# KiCad board thunderbolt-adapter.kicad_pcb (continued)
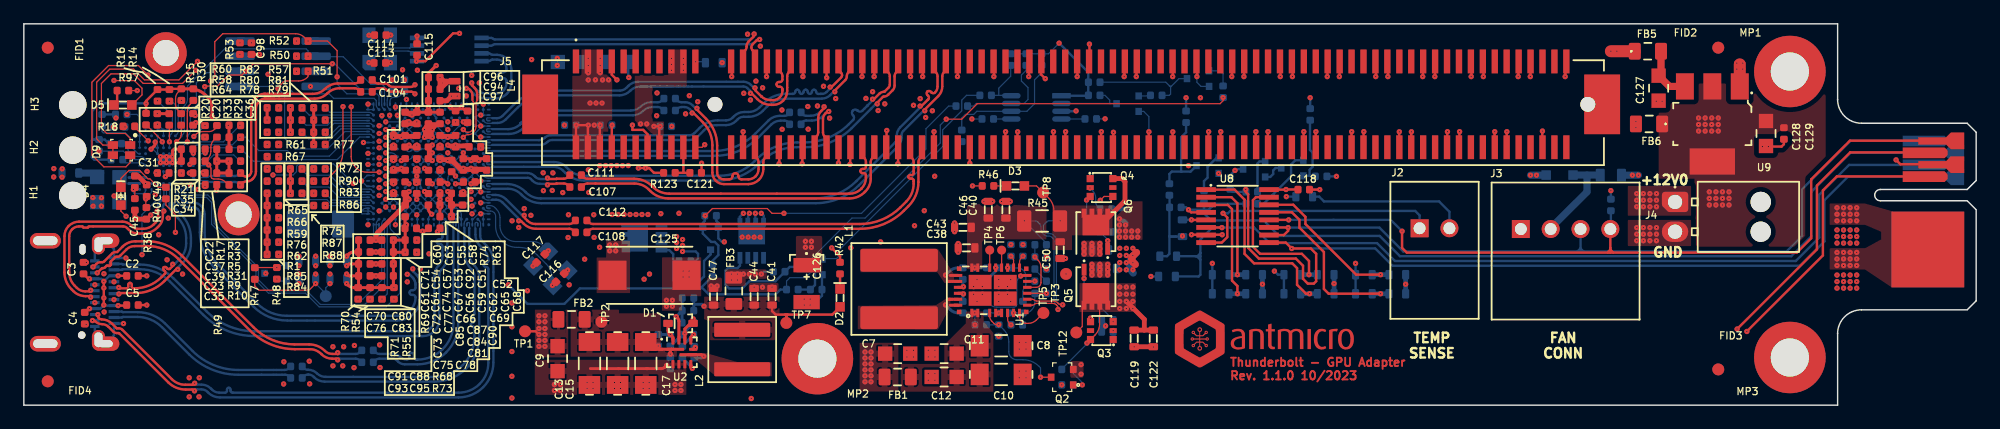
[diagram p0: board, top side]
## Routing (per net, layer and track width the routed paths; a pad name or vN(x,y) marks a point on that pad's centre or on a via; arc(x,y) is an arc through that point) (continued)
I2C1_IRQ: length 20.7
  In2.Cu w0.1: 20.89,19.32 19.87,19.32 arc(19.73,19.35) 19.61,19.43 19.47,19.57 arc(19.13,20.08) 19.01,20.68 19.02,20.68 19.02,22.83 18.36,23.48 v1(18.1,23.48) ; v1(27.6,18.6) 27.9,18.3 28.7,18.3 29.3,18.9 v1(29.78,18.9)
  Bottom w0.1: U3.C1 16.72,22.1 v1(18.1,23.48) ; v1(20.87,19.32) 22.57,19.32 22.85,19.6 22.85,20.05 23.05,20.25 25.95,20.25 v1(27.6,18.6)
I2C1_SCL: length 16.9
  Bottom w0.1: 18.12,22.5 18.55,22.5 19.69,21.36 22.09,21.36 22.55,20.9 25.6,20.9 27.43,22.73 ; 27.43,22.73 28.95,22.73 ; U3.D2 14.32,21.72 arc(14.46,21.82) 14.63,21.85 17.47,21.85 v1(18.1,22.48) ; 29.3,22.5 29.14,22.66 arc(29.06,22.71) 28.97,22.73
I2C1_SDA: length 15.4
  Bottom w0.1: U3.D1 17.9,21.6 arc(17.98,21.58) 18.04,21.54 v1(18.11,21.48) 18.23,21.48 19.24,20.47 22.82,20.47 22.95,20.6 26.25,20.6 28.15,22.5 U4.U1
LSX_P2R: length 29
  Bottom w0.1: U3.K4 13.32,18.47 13.36,18.43 13.42,18.34 13.45,18.23 13.45,17.75 13.57,17.63 15.42,17.63 15.95,17.1 15.95,15.25 19.65,11.55 19.65,10.53 20.58,9.6 23.7,9.6 24.85,8.45 28.57,8.45 v1(29.01,8.9) 30.22,10.11 U4.A4
LSX_R2P: length 30.8
  Bottom w0.1: U4.A5 30.68,14.98 arc(30.71,14.82) 30.8,14.69 31.5,13.99 31.5,9.38 v1(31.01,8.9) 30.37,8.25 24.75,8.25 23.6,9.4 20.5,9.4 19.45,10.45 19.45,11.47 15.73,15.18 15.73,17.02 15.32,17.43 13.48,17.43 13.2,17.72 U3.L4
PCIE_CLK_CON_N: length 25.8
  Top w0.2: 61.27,28.84 61.27,29.37 arc(61.23,29.56) 61.12,29.73 61.08,29.77 arc(61,29.89) 60.97,30.03 arc(61,30.17) 61.08,30.28 61.42,30.63 arc(61.49,30.67) 61.57,30.69 v1(61.66,30.69)
  Bottom w0.2: U6.6 39.16,30.17 arc(39.24,30.18) 39.31,30.23 arc(39.38,30.28) 39.46,30.29 60.8,30.29 arc(61.06,30.34) 61.28,30.49 61.42,30.63 arc(61.49,30.67) 61.57,30.69 v1(61.66,30.69)
PCIE_CLK_CON_P: length 25.8
  Top w0.2: 60.27,28.84 60.27,29.37 arc(60.31,29.56) 60.42,29.73 arc(60.53,29.89) 60.57,30.09 60.57,30.11 arc(60.61,30.33) 60.73,30.51 61.14,30.91 arc(61.18,30.98) 61.2,31.06 v1(61.2,31.15)
  Bottom w0.2: U6.5 39.16,30.82 arc(39.24,30.8) 39.31,30.76 arc(39.38,30.71) 39.46,30.69 60.72,30.69 arc(60.91,30.73) 61.06,30.83 61.14,30.91 arc(61.18,30.98) 61.2,31.06 v1(61.2,31.15)
PCIE_PWRGD: length 54.3
  Top w0.1: v1(27.43,25.04) 27.43,20.87 arc(27.53,20.36) 27.82,19.94 arc(28.24,19.65) 28.75,19.55 v1(29.78,19.55)
  In2.Cu w0.1: v1(27.43,25.04) 27.43,28.33 28.83,29.72 57.53,29.72 v1(58.52,28.74) ; v1(21.36,14.7) 25.1,14.7 27.1,16.7 27.1,18.8 27.85,19.55 v1(29.78,19.55)
PCIE_RX0_N: length 30.4
  Top w0.2: 64.27,28.84 64.27,28.22 arc(64.25,28.12) 64.19,28.03 64.12,27.95 arc(64.01,27.79) 63.97,27.6 63.97,26.37 arc(63.88,25.92) 63.63,25.54 arc(63.25,25.29) 62.8,25.2 62.63,25.2 arc(62,25.32) 61.47,25.68 61.01,26.14 arc(60.98,26.16) 60.94,26.17 v1(60.89,26.17)
  Bottom w0.1: U4.Y22 38.62,23.77 arc(38.74,23.68) 38.89,23.65 39.21,23.65 arc(39.23,23.65) 39.25,23.67 arc(39.26,23.68) 39.28,23.68
  Bottom w0.2: v1(60.89,26.17) 60.89,26.26 arc(60.88,26.34) 60.83,26.41 60.63,26.61 arc(60.49,26.7) 60.32,26.74 51.65,26.74 arc(51.21,26.65) 50.83,26.4 50.8,26.37 arc(50.39,26.1) 49.91,26 43.85,26 arc(42.52,25.74) 41.39,24.98 40.37,23.97 arc(40.06,23.75) 39.69,23.68 39.28,23.68
PCIE_RX0_P: length 30.4
  Top w0.2: 61.26,26.63 61.26,26.54 arc(61.28,26.46) 61.33,26.39 61.81,25.91 arc(62.15,25.68) 62.56,25.6 62.8,25.6 arc(63.09,25.66) 63.34,25.83 arc(63.51,26.08) 63.57,26.37 63.57,26.52 arc(63.51,26.66) 63.37,26.72 63.27,26.72 arc(63.13,26.78) 63.07,26.92 arc(63.13,27.06) 63.27,27.12 63.37,27.12 arc(63.51,27.18) 63.57,27.32 63.57,27.6 arc(63.53,27.79) 63.42,27.95 63.35,28.03 arc(63.29,28.12) 63.27,28.22 63.27,28.84
  Bottom w0.1: U4.Y23 38.88,23.88 arc(38.84,23.89) 38.81,23.91 arc(38.78,23.94) 38.78,23.98 38.78,24.01 arc(38.78,24.05) 38.81,24.08 arc(38.84,24.1) 38.88,24.11 39.21,24.11 arc(39.23,24.11) 39.25,24.1 arc(39.26,24.08) 39.28,24.08
  Bottom w0.2: 61.26,26.63 61.22,26.63 arc(61.18,26.64) 61.14,26.66 60.92,26.89 arc(60.64,27.07) 60.31,27.14 51.49,27.14 arc(51.04,27.05) 50.66,26.8 50.49,26.63 arc(50.24,26.46) 49.95,26.4 43.89,26.4 arc(42.37,26.1) 41.08,25.23 40.12,24.28 arc(39.9,24.13) 39.64,24.08 39.28,24.08
  vias: v1(61.27,26.63)
PCIE_RX1_N: length 34.5
  Top w0.2: 67.96,26.3 67.96,26.35 arc(67.96,26.4) 67.99,26.44 68.83,27.28 arc(68.93,27.43) 68.97,27.61 arc(69.01,27.79) 69.11,27.95 69.12,27.96 arc(69.23,28.12) 69.27,28.32 69.27,28.84 ; 69.2,28.3 69.2,28.88
  Bottom w0.1: U4.T22 38.62,21.93 arc(38.74,21.84) 38.89,21.81 39.19,21.81 arc(39.21,21.81) 39.23,21.83 arc(39.24,21.84) 39.26,21.84
  Bottom w0.2: 67.96,26.3 67.91,26.3 arc(67.86,26.29) 67.82,26.27 67.57,26.01 arc(67.24,25.8) 66.87,25.72 63.91,25.72 arc(63.03,25.55) 62.28,25.04 61.93,24.69 arc(61.38,24.33) 60.73,24.2 60.32,24.2 arc(60.05,24.15) 59.83,24 59.68,23.85 arc(59.3,23.59) 58.84,23.5 58.06,23.5 arc(57.48,23.39) 56.99,23.06 56.49,22.55 arc(56.15,22.33) 55.75,22.25 44.27,22.25 arc(44.05,22.21) 43.87,22.08 arc(43.6,21.9) 43.28,21.84 39.26,21.84
  vias: v1(67.96,26.3)
PCIE_RX1_P: length 34.5
  Top w0.2: 68.27,28.84 68.27,28.32 arc(68.31,28.12) 68.42,27.96 68.49,27.89 arc(68.55,27.8) 68.57,27.69 arc(68.55,27.59) 68.49,27.5 67.71,26.72 arc(67.67,26.69) 67.62,26.68 67.57,26.68
  Bottom w0.1: U4.T23 38.88,22.04 arc(38.84,22.05) 38.81,22.07 arc(38.78,22.1) 38.78,22.14 38.78,22.17 arc(38.78,22.21) 38.81,22.24 arc(38.84,22.26) 38.88,22.27 39.19,22.27 arc(39.21,22.27) 39.23,22.26 arc(39.24,22.24) 39.26,22.24
  Bottom w0.2: 67.57,26.68 67.57,26.63 arc(67.56,26.59) 67.54,26.55 67.26,26.27 arc(67.09,26.16) 66.9,26.12 66.78,26.12 66.78,26.12 arc(66.78,26.12) 66.78,26.12 66.57,26.12 arc(66.45,26.17) 66.4,26.3 66.4,26.3 arc(66.34,26.43) 66.22,26.48 arc(66.1,26.43) 66.04,26.3 66.04,26.3 arc(65.99,26.17) 65.87,26.12 arc(65.75,26.17) 65.69,26.3 65.69,26.3 arc(65.64,26.43) 65.52,26.48 arc(65.4,26.43) 65.34,26.3 65.34,26.3 arc(65.29,26.17) 65.17,26.12 arc(65.05,26.17) 65,26.3 65,26.3 arc(64.94,26.43) 64.82,26.48 arc(64.7,26.43) 64.65,26.3 64.65,26.3 arc(64.59,26.17) 64.47,26.12 63.87,26.12 arc(63.87,26.12) 63.87,26.12 63.87,26.12 arc(62.87,25.92) 62.03,25.36 61.66,24.99 arc(61.22,24.7) 60.71,24.6 60.36,24.6 arc(59.9,24.51) 59.52,24.25 59.4,24.13 arc(59.14,23.96) 58.84,23.9 58.15,23.9 arc(57.33,23.74) 56.64,23.28 56.19,22.82 arc(56,22.69) 55.78,22.65 44.16,22.65 arc(43.89,22.6) 43.66,22.45 arc(43.44,22.29) 43.17,22.24 39.26,22.24
  vias: v1(67.57,26.69)
PCIE_RX2_N: length 39.8
  Top w0.2: 73.27,28.84 73.27,28.32 arc(73.23,28.12) 73.12,27.96 arc(73.01,27.79) 72.97,27.6 72.97,26.81 arc(72.93,26.6) 72.81,26.42 72.43,26.05 arc(72.27,25.94) 72.07,25.9 arc(72.03,25.89) 71.99,25.87 71.55,25.42 arc(71.52,25.38) 71.51,25.34 71.51,25.29
  Bottom w0.1: U4.M22 38.62,20.09 arc(38.74,20) 38.89,19.97 39.19,19.97 arc(39.21,19.97) 39.23,19.99 arc(39.24,20) 39.26,20
  Bottom w0.2: 71.51,25.29 71.46,25.29 arc(71.42,25.28) 71.38,25.25 70.99,24.86 69.37,23.24 arc(67.6,22.06) 65.52,21.65 64.76,21.65 arc(63.12,21.32) 61.72,20.39 61.58,20.25 arc(60.03,19.21) 58.2,18.85 46.94,18.85 arc(46.09,19.02) 45.37,19.5 45.19,19.68 arc(44.83,19.92) 44.41,20 39.26,20
  vias: v1(71.51,25.28)
PCIE_RX2_P: length 39.8
  Top w0.2: 71.13,25.67 71.18,25.67 arc(71.22,25.68) 71.26,25.7 71.7,26.14 arc(71.88,26.26) 72.09,26.3 72.12,26.3 72.47,26.65 arc(72.54,26.76) 72.57,26.9 72.57,27.6 arc(72.53,27.79) 72.42,27.96 arc(72.31,28.12) 72.27,28.32 72.27,28.84
  Bottom w0.1: U4.M23 38.88,20.2 arc(38.84,20.21) 38.81,20.23 arc(38.78,20.26) 38.78,20.3 38.78,20.33 arc(38.78,20.37) 38.81,20.4 arc(38.84,20.42) 38.88,20.43 39.19,20.43 arc(39.21,20.43) 39.23,20.42 arc(39.24,20.4) 39.26,20.4
  Bottom w0.2: 39.26,20.4 44.43,20.4 arc(44.99,20.29) 45.46,19.98 45.61,19.83 arc(46.24,19.4) 47,19.25 58.3,19.25 arc(59.89,19.57) 61.23,20.47 61.42,20.65 arc(62.97,21.69) 64.8,22.05 65.44,22.05 arc(67.44,22.45) 69.15,23.59 69.49,23.93 arc(69.57,24.13) 69.49,24.32 69.48,24.34 arc(69.4,24.53) 69.48,24.73 arc(69.67,24.81) 69.87,24.73 69.88,24.71 arc(70.08,24.63) 70.27,24.71 71.1,25.54 arc(71.12,25.57) 71.13,25.62 71.13,25.67
  vias: v1(71.12,25.67)
PCIE_RX3_N: length 45.6
  Top w0.2: 75.5,24.71 75.5,24.76 arc(75.51,24.8) 75.53,24.84 76.63,25.94 arc(76.88,26.31) 76.97,26.75 76.97,27.6 arc(77.01,27.79) 77.12,27.96 arc(77.23,28.12) 77.27,28.32 77.27,28.84
  Bottom w0.1: U4.H22 38.62,18.25 arc(38.74,18.16) 38.89,18.13 39.19,18.13 arc(39.21,18.13) 39.23,18.15 arc(39.24,18.16) 39.26,18.16
  Bottom w0.2: 75.5,24.71 75.45,24.71 arc(75.4,24.7) 75.36,24.67 73.71,23.02 arc(73.59,22.84) 73.55,22.63 73.55,22.44 arc(73.47,22.05) 73.25,21.71 69.98,18.44 arc(68.32,17.34) 66.37,16.95 43.36,16.95 arc(42.49,17.12) 41.75,17.62 41.66,17.71 arc(41.16,18.04) 40.56,18.16 39.26,18.16
  vias: v1(75.5,24.7)
PCIE_RX3_P: length 45.6
  Top w0.2: 76.27,28.84 76.27,28.32 arc(76.31,28.12) 76.42,27.96 arc(76.53,27.79) 76.57,27.6 76.57,26.74 arc(76.51,26.47) 76.36,26.23 arc(76.22,26.17) 76.07,26.23 76,26.31 arc(75.85,26.37) 75.71,26.31 arc(75.65,26.17) 75.71,26.03 75.79,25.95 arc(75.85,25.81) 75.79,25.67 75.25,25.12 arc(75.21,25.1) 75.16,25.09 75.12,25.09
  Bottom w0.1: U4.H23 38.88,18.36 arc(38.84,18.37) 38.81,18.39 arc(38.78,18.42) 38.78,18.46 38.78,18.49 arc(38.78,18.53) 38.81,18.56 arc(38.84,18.58) 38.88,18.59 39.19,18.59 arc(39.21,18.59) 39.23,18.58 arc(39.24,18.56) 39.26,18.56
  Bottom w0.2: 75.12,25.09 75.12,25.04 arc(75.11,24.99) 75.08,24.96 73.45,23.32 arc(73.23,22.99) 73.15,22.6 73.15,22.41 arc(73.11,22.2) 72.99,22.02 69.77,18.81 arc(68.16,17.73) 66.26,17.35 43.31,17.35 arc(42.64,17.48) 42.07,17.86 42.03,17.91 arc(41.3,18.39) 40.45,18.56 39.26,18.56
  vias: v1(75.11,25.09)
PCIE_TX0_N: length 14.8
  Top w0.2: 56.02,24.53 56.07,24.53 arc(56.11,24.52) 56.15,24.49 56.91,23.73 arc(57.49,22.85) 57.7,21.82 57.7,19.52 arc(57.77,19.15) 57.98,18.83 arc(58.3,18.62) 58.67,18.55 60.71,18.55 arc(61.19,18.65) 61.6,18.92 arc(61.87,19.33) 61.97,19.81 61.97,20.4 arc(62.01,20.59) 62.12,20.76 arc(62.23,20.92) 62.27,21.12 J5.B15
  Bottom w0.2: 54.6,24.71 54.76,24.86 arc(54.93,24.98) 55.13,25.02 55.34,25.02 arc(55.6,24.97) 55.82,24.82 55.98,24.66 arc(56.01,24.62) 56.02,24.57 56.02,24.53
  vias: v1(56.01,24.52)
PCIE_TX0_P: length 14.8
  Top w0.2: 56.4,24.91 56.4,24.86 arc(56.41,24.81) 56.43,24.77 57.17,24.03 arc(57.86,23.01) 58.1,21.8 58.1,19.52 arc(58.14,19.3) 58.27,19.12 arc(58.45,18.99) 58.67,18.95 59.13,18.95 arc(59.31,19.02) 59.38,19.2 59.38,19.22 arc(59.45,19.4) 59.63,19.47 arc(59.81,19.4) 59.88,19.22 59.88,19.2 arc(59.95,19.02) 60.13,18.95 60.71,18.95 arc(61.04,19.02) 61.32,19.2 arc(61.5,19.48) 61.57,19.81 61.57,20.4 arc(61.53,20.59) 61.42,20.76 arc(61.31,20.92) 61.27,21.12 J5.B14
  Bottom w0.2: C109.2 54.76,25.57 arc(54.93,25.46) 55.13,25.42 55.42,25.42 arc(55.76,25.35) 56.04,25.16 56.27,24.94 arc(56.3,24.92) 56.35,24.91 56.4,24.91
  vias: v1(56.41,24.92)
PCIE_TX1_N: length 6
  Top w0.2: J5.B20 67.27,22.17 arc(67.23,22.36) 67.12,22.53 arc(67.01,22.69) 66.97,22.89 66.97,24.01 arc(67.02,24.25) 67.16,24.46 67.31,24.62 arc(67.35,24.64) 67.4,24.65 67.45,24.65
  Bottom w0.2: 67.45,24.65 67.4,24.65 arc(67.35,24.64) 67.31,24.62 66.96,24.27 arc(66.54,23.98) 66.04,23.88 65.55,23.88 arc(65.39,23.85) 65.25,23.76 65.13,23.64
  vias: v1(67.45,24.64)
PCIE_TX1_P: length 6
  Top w0.2: 67.07,25.03 67.07,24.98 arc(67.06,24.94) 67.03,24.9 66.82,24.69 arc(66.63,24.41) 66.57,24.09 66.57,22.89 arc(66.53,22.69) 66.42,22.53 arc(66.31,22.36) 66.27,22.17 J5.B19
  Bottom w0.2: 65.14,24.53 65.26,24.4 arc(65.39,24.32) 65.55,24.28 65.95,24.28 arc(66.38,24.37) 66.74,24.61 67.03,24.9 arc(67.06,24.94) 67.07,24.98 67.07,25.03
  vias: v1(67.06,25.04)
PCIE_TX2_N: length 28.3
  Top w0.2: J5.B24 71.27,21.02 arc(71.25,20.92) 71.19,20.83 71.12,20.75 arc(71.01,20.59) 70.97,20.4 70.97,19.01 arc(70.86,18.43) 70.53,17.95 70.45,17.87 arc(69.88,17.48) 69.2,17.35 54,17.35 arc(53.18,17.51) 52.49,17.97 52.37,18.1 arc(51.81,18.47) 51.16,18.6 47.9,18.6 arc(47.9,18.6) 47.9,18.6 arc(47.9,18.6) 47.9,18.6 47.23,18.6 arc(47.04,18.56) 46.87,18.45 C107.2
PCIE_TX2_P: length 28.3
  Top w0.2: C111.2 46.87,19.15 arc(47.04,19.04) 47.23,19 47.9,19 arc(47.9,19) 47.9,19 arc(47.9,19) 47.9,19 51.15,19 arc(51.97,18.84) 52.66,18.38 52.72,18.32 arc(53.34,17.9) 54.08,17.75 69.2,17.75 arc(69.72,17.85) 70.17,18.15 70.19,18.17 arc(70.47,18.59) 70.57,19.09 70.57,19.3 arc(70.52,19.42) 70.4,19.47 70.28,19.47 arc(70.15,19.53) 70.1,19.65 arc(70.15,19.77) 70.28,19.83 70.4,19.83 arc(70.52,19.88) 70.57,20 70.57,20.4 arc(70.53,20.59) 70.42,20.75 70.35,20.83 arc(70.29,20.92) 70.27,21.02 J5.B23
PCIE_TX3_N: length 32.9
  Top w0.2: J5.B28 75.27,21.12 arc(75.23,20.92) 75.12,20.76 arc(75.01,20.59) 74.97,20.4 74.97,18.72 arc(74.75,17.63) 74.14,16.71 73.75,16.33 arc(72.07,15.2) 70.07,14.8 47.7,14.8 arc(47.5,14.76) 47.34,14.65 C108.2
PCIE_TX3_P: length 32.9
  Top w0.2: C112.2 47.34,15.35 arc(47.5,15.24) 47.7,15.2 70.06,15.2 arc(71.91,15.57) 73.48,16.62 73.94,17.08 arc(74.41,17.77) 74.57,18.59 74.57,18.77 74.57,18.77 arc(74.57,18.78) 74.57,18.78 74.57,18.86 arc(74.53,18.97) 74.42,19.01 74.27,19.01 arc(74.17,19.06) 74.12,19.16 arc(74.17,19.27) 74.27,19.31 74.42,19.31 arc(74.53,19.36) 74.57,19.46 74.57,19.63 arc(74.57,19.63) 74.57,19.63 74.57,20.4 arc(74.53,20.59) 74.42,20.76 arc(74.31,20.92) 74.27,21.12 J5.B27
PCIE_WAKE: length 55.8
  Top w0.1: v1(57.06,21.86) 56.84,21.64 J5.B11 ; v1(25.26,18.8) 26,19.54 arc(26.55,20.37) 26.74,21.34 v1(26.74,25.05)
  In2.Cu w0.1: v1(26.74,25.05) 27.19,24.6 27.7,24.6 28.1,25 28.1,28.6 29,29.5 56.5,29.5 59,27 59,23.8 v1(57.06,21.86)
  Bottom w0.1: U4.F2 29.19,17.56 arc(29.16,17.58) 29.13,17.61 29.07,17.67 28.59,17.67 28.59,17.67 26.78,17.67 25.65,18.8 v1(25.26,18.8)
PP_5V0: length 9.9
  In2.Cu w0.1: v1(10.33,19.62) 10.33,20.84 8,23.17 8,23.76 v1(8.64,24.4)
  Bottom w0.1: U3.H10 10.31,19.6 v1(10.33,19.62) ; U3.D11 U3.C11 U3.B11 U3.A11 9.7,24.17 9.47,24.4 v1(8.64,24.4)
PP_HV: length 2.6
  Bottom w0.1: 11.69,23.1 U3.A8 v1(11.2,23.58) 11.67,23.11 ; 11.7,23.09 U3.B7 ; 11.71,23.1 U3.A6
PWM_OUT: length 70.6
  Top w0.2: v1(115.5,14.6) 115.5,13.2 115.9,12.8 132.96,12.8 ; 133.2,12.8 148.58,12.8 149.79,14.01 149.79,18.95 153.03,22.19 161.83,22.19 ; 133.2,12.8 132.96,13.04 ; 133.2,12.8 132.96,12.8 ; 132.96,13.19 132.96,13.04 ; 132.96,13.19 J3.4 ; 132.96,13.19 132.96,12.8 ; 132.96,13.04 132.71,12.8 ; v1(106,15.55) 104.35,15.55 U8.12
  Bottom w0.2: v1(106,15.55) 114.55,15.55 v1(115.5,14.6) ; R115.2 133,14.83 J3.4
RESET_N: length 33.2
  In2.Cu w0.1: v1(6.3,21.31) 6.77,20.85 8.65,20.85 9.8,19.7 9.8,19.2 10,19 11.2,19 11.85,18.35 12.9,18.35 15.5,15.75 15.5,15.25 17.55,13.2 21.6,13.2 22.1,13.7 26.4,13.7 29.78,17.08 v1(29.78,17.6)
  Bottom w0.1: v1(6.3,21.31) 8.33,21.31 8.87,20.78 arc(9.11,20.65) 9.37,20.6 U3.F11
SBU1: length 11
  In2.Cu w0.1: v1(7.55,10.35) 7.2,10.7 7.2,11.15 7.55,11.5 8.77,11.5 v1(9.9,12.63)
  Bottom w0.1: U3.K8 11.43,18.37 11.43,18.25 11.43,18.2 11.43,17.53 9.9,16 v1(9.9,12.63)
SBU2: length 26.9
  In2.Cu w0.1: v1(11.02,17.68) 11.62,17.68 13.1,16.2 13.1,15.7 12.1,14.7 12.1,13.2 11.2,12.3 11.2,7.4 7.7,3.9 5,3.9 4,4.9 4,7.6 5,8.6 v1(5.95,8.6)
  Bottom w0.1: U3.L8 11.2,17.91 arc(11.19,17.82) 11.15,17.73 11.1,17.68 v1(11.02,17.68)
SPI_CS: length 28
  Top w0.1: v1(26.25,27.55) 26.25,29.75 25.44,30.56 v1(23.82,30.55) 23.51,30.86 arc(23.17,31.09) 22.77,31.17 16.67,31.17 16,30.5 16,27.55 v1(15.65,27.2)
  Bottom w0.1: U4.AC3 29.76,25.94 29.57,26.13 27.07,26.13 26.25,26.95 v1(26.25,27.55) ; v1(15.65,27.2) 15.65,25.45 14.99,24.79 14.34,24.79 arc(14.34,24.79) 14.34,24.79 arc(14.19,24.76) 14.06,24.67 arc(13.98,24.55) 13.95,24.4 13.95,23.03 arc(13.92,22.86) 13.82,22.72 U3.B3
  Bottom w0.25: v1(23.82,30.55) U5.1
SPI_MISO: length 25.2
  Bottom w0.1: U3.A4 13.2,24.46 arc(13.28,24.85) 13.5,25.18 arc(13.66,25.41) 13.71,25.69 13.71,26.78 16.83,29.9 23.65,29.9 23.82,29.73 v1(23.82,29.28) 25.49,29.28 ; U4.AC4 30.22,26.73 30.03,26.92 29.08,26.92 26.76,29.24 25.01,29.24 arc(24.95,29.25) 24.9,29.28
SPI_MOSI: length 22.8
  Bottom w0.1: U4.AB3 29.65,24.92 arc(29.56,25.04) 29.53,25.19 29.53,25.57 29.35,25.75 25.95,25.75 25.58,26.12 22.68,26.12 21.6,27.2 21.05,27.2 20.6,26.75 U7.5 16.6,26.75 16.35,27 16.35,27.45 15.9,27.9 15.3,27.9 14.46,27.06 14.46,25.81 13.67,25.03 arc(13.51,24.78) 13.45,24.48 13.45,23.03 arc(13.42,22.86) 13.32,22.72 U3.B4
SPI_SCLK: length 22.5
  Top w0.1: v1(15.16,26.73) 15.21,26.78 16.23,26.78 17.15,27.7 18.27,27.7 v1(18.59,28.02) 19.22,28.65 v1(25.85,28.65)
  Bottom w0.1: v1(25.85,28.65) 26.05,28.65 28.17,26.53 29.77,26.53 29.99,26.31 29.99,25.2 arc(30.02,25.04) 30.11,24.92 U4.AB4 ; U3.A3 13.7,24.42 arc(13.75,24.65) 13.87,24.84 arc(14.07,24.97) 14.3,25.02 14.32,25.02 15.16,25.86 v1(15.16,26.73)
TB_RX0_N: length 50.2
  Top w0.2: v1(14.31,1.84) 14.25,1.78 arc(14.18,1.73) 14.1,1.71 13.53,1.71 arc(12.92,1.83) 12.4,2.18 8.26,6.33 arc(8.12,6.42) 7.96,6.45 7.79,6.45 arc(7.78,6.45) 7.78,6.45 7.4,6.83 arc(6.99,7.1) 6.51,7.2 arc(6.39,7.22) 6.29,7.29 6.28,7.31 arc(6.22,7.39) 6.2,7.49 v1(6.2,7.6)
  Bottom w0.1: 37.81,14.88 37.81,15.22 ; 37.81,15.23 arc(37.82,15.27) 37.84,15.3 arc(37.88,15.32) 37.91,15.33 37.94,15.33 arc(37.98,15.32) 38.01,15.3 arc(38.03,15.27) 38.04,15.23
  Bottom w0.2: v1(14.31,1.84) 14.37,1.78 arc(14.43,1.74) 14.51,1.73 14.88,1.73 arc(15.31,1.64) 15.67,1.4 15.76,1.3 arc(16.05,1.12) 16.38,1.05 16.87,1.05 arc(16.98,1.09) 17.02,1.2 17.02,1.31 arc(17.07,1.42) 17.17,1.46 arc(17.28,1.42) 17.32,1.31 17.32,1.2 arc(17.37,1.09) 17.47,1.05 36.44,1.05 arc(37.39,1.24) 38.2,1.78 arc(38.74,2.59) 38.92,3.54 38.92,11.42 arc(38.87,11.54) 38.75,11.59 38.7,11.59 arc(38.58,11.64) 38.53,11.77 arc(38.58,11.89) 38.7,11.94 38.75,11.94 arc(38.87,11.99) 38.92,12.12 38.92,12.14 arc(38.83,12.64) 38.54,13.06 38.16,13.44 arc(37.92,13.85) 37.84,14.31 37.84,14.81
TB_RX0_P: length 50.1
  Top w0.2: v1(5.75,7.1) 5.83,7.1 arc(5.91,7.08) 5.98,7.04 5.99,7.03 arc(6.24,6.86) 6.54,6.8 arc(6.84,6.74) 7.1,6.57 7.49,6.17 arc(7.63,6.08) 7.79,6.05 7.94,6.05 arc(7.96,6.04) 7.99,6.03 12.1,1.92 arc(12.77,1.47) 13.56,1.31 14.11,1.31 arc(14.18,1.3) 14.24,1.26 v1(14.3,1.2)
  Bottom w0.1: 38.27,14.89 38.27,15.28 arc(38.25,15.37) 38.2,15.46 38.06,15.6 arc(38.06,15.6) 38.05,15.6 U4.B21
  Bottom w0.2: v1(14.3,1.2) 14.36,1.26 arc(14.43,1.31) 14.51,1.33 14.89,1.33 arc(15.15,1.27) 15.38,1.12 15.44,1.06 arc(15.9,0.76) 16.43,0.65 36.42,0.65 arc(37.54,0.87) 38.49,1.51 arc(39.13,2.46) 39.35,3.58 39.35,11.95 arc(39.19,12.75) 38.74,13.43 38.46,13.7 arc(38.3,13.95) 38.24,14.24 38.24,14.83
TB_RX1_N: length 38.6
  Bottom w0.1: U4.B15 35.4,15.49 arc(35.47,15.38) 35.51,15.26 35.51,14.89 35.48,14.86
  Bottom w0.2: J9.A10 8.19,11.35 arc(8.22,11.36) 8.25,11.38 arc(8.28,11.4) 8.31,11.4 9.74,11.4 arc(11.1,11.13) 12.25,10.37 15.05,7.57 arc(17.01,6.26) 19.32,5.8 33.43,5.8 arc(33.96,5.91) 34.41,6.2 arc(34.71,6.65) 34.81,7.18 34.81,10.93 arc(34.86,11.19) 35.01,11.41 arc(35.36,11.93) 35.48,12.54 35.48,14.84
TB_RX1_P: length 38.6
  Bottom w0.1: 35.05,15.22 35.05,14.91 arc(35.06,14.89) 35.07,14.88 arc(35.08,14.86) 35.08,14.84 ; 35.28,15.22 U4.A15 ; 35.05,15.23 arc(35.06,15.27) 35.08,15.3 arc(35.12,15.32) 35.15,15.33 35.18,15.33 arc(35.22,15.32) 35.25,15.3 arc(35.27,15.27) 35.28,15.23
  Bottom w0.2: J9.A11 8.19,11.85 arc(8.22,11.85) 8.25,11.83 arc(8.28,11.81) 8.31,11.8 9.71,11.8 arc(11.25,11.5) 12.56,10.63 15.32,7.87 arc(17.16,6.63) 19.34,6.2 33.43,6.2 arc(33.81,6.27) 34.12,6.49 arc(34.34,6.81) 34.41,7.18 34.41,10.9 arc(34.5,11.34) 34.75,11.71 arc(34.99,12.08) 35.08,12.52 35.08,13.32 arc(35.02,13.46) 34.88,13.52 34.79,13.52 arc(34.65,13.58) 34.59,13.72 arc(34.65,13.86) 34.79,13.92 34.88,13.92 arc(35.02,13.98) 35.08,14.12 35.08,14.84
TB_TX0_N: length 16.6
  Bottom w0.1: 22.21,3.1 C102.1
  Bottom w0.2: J9.A3 8.19,7.85 arc(8.22,7.85) 8.25,7.83 arc(8.28,7.81) 8.31,7.81 9.55,7.81 arc(10.78,7.56) 11.82,6.86 14.14,4.55 arc(15.9,3.37) 17.98,2.95 21.85,2.95 arc(22.05,2.99) 22.21,3.1
TB_TX0_P: length 16.5
  Bottom w0.2: J9.A2 8.19,7.35 arc(8.22,7.36) 8.25,7.38 arc(8.28,7.4) 8.31,7.41 9.49,7.41 arc(10.62,7.18) 11.57,6.54 13.86,4.25 arc(15.75,3) 17.97,2.55 21.9,2.55 arc(22.08,2.52) 22.22,2.42 C99.1
TB_TX1_N: length 26.8
  Top w0.2: v1(26.3,3.8) 26.25,3.85 arc(26.19,3.89) 26.13,3.9 25.84,3.9 arc(25.36,4) 24.95,4.27 24.92,4.3 arc(24.47,4.6) 23.95,4.7 22.72,4.7 arc(20.68,5.1) 18.96,6.26 12.92,12.29 arc(11.75,13.08) 10.38,13.35 9.28,13.35 arc(8.91,13.28) 8.6,13.07 8.09,12.56 arc(7.97,12.48) 7.83,12.45 7.73,12.45 arc(7.69,12.44) 7.65,12.42 7.28,12.05 arc(7.25,11.98) 7.28,11.91 arc(7.31,11.84) 7.28,11.77 7.21,11.7 arc(7.14,11.67) 7.07,11.7 arc(7,11.73) 6.93,11.7 6.8,11.56 arc(6.73,11.52) 6.64,11.5 6.56,11.5 arc(6.55,11.5) 6.54,11.49 v1(6.15,11.1)
  Bottom w0.2: C103.1 28.17,3.75 arc(28,3.86) 27.8,3.9 26.47,3.9 arc(26.41,3.89) 26.35,3.85 v1(26.3,3.8)
TB_TX1_P: length 26.9
  Top w0.2: v1(26.3,4.4) 26.25,4.35 arc(26.19,4.31) 26.13,4.3 25.84,4.3 arc(25.51,4.37) 25.23,4.55 arc(24.62,4.96) 23.91,5.1 22.68,5.1 arc(20.84,5.47) 19.27,6.51 13.21,12.58 arc(11.91,13.45) 10.38,13.75 9.35,13.75 arc(8.77,13.63) 8.27,13.3 7.82,12.85 7.67,12.85 arc(7.53,12.82) 7.41,12.74 6.73,12.06 arc(6.66,12.02) 6.58,12 6.44,12 arc(6.24,11.96) 6.06,11.84 5.89,11.67 arc(5.86,11.66) 5.83,11.65 5.8,11.65
  Bottom w0.2: C100.1 28.17,4.45 arc(28,4.34) 27.8,4.3 26.47,4.3 arc(26.41,4.31) 26.35,4.35 v1(26.3,4.4)
  vias: v1(5.8,11.6)
TEMP_SENSE_1: length 21.9
  Top w0.2: 99.08,13.64 100.36,13.64 ; v1(100.5,16.1) 100.85,15.75 100.85,14.1 100.4,13.65
  Bottom w0.2: v1(100.5,16.1) 100.9,16.1 101.1,16.3 116.6,16.3 116.97,15.93 J2.1
TEMP_SENSE_2: length 13.4
  Bottom w0.2: R118.2 108.55,17.5 108.95,17.1 118.6,17.1 119.47,16.23 J2.2
USB_B_N: length 18.6
  Top w0.2: v1(11.17,16.28) 11.21,16.24 arc(11.24,16.2) 11.25,16.14 11.25,15.87 arc(11.19,15.56) 11.01,15.3 10.88,15.17 arc(10.48,14.9) 10,14.8 9.49,14.8 arc(9.3,14.84) 9.14,14.94 8.98,15.1 arc(8.65,15.32) 8.26,15.4 4.62,15.4 arc(4.16,15.31) 3.76,15.04 arc(3.49,14.64) 3.4,14.18 3.4,11.14 arc(3.55,10.38) 3.98,9.73 4.14,9.57 arc(4.61,9.26) 5.17,9.15 5.51,9.15 arc(5.52,9.15) 5.52,9.15 5.53,9.15 5.6,9.08
  Bottom w0.1: U3.L7 11.72,18.08 arc(11.73,18.07) 11.73,18.06 11.73,17.49 arc(11.72,17.39) 11.66,17.31 11.6,17.25 arc(11.59,17.24) 11.58,17.24 arc(11.56,17.24) 11.55,17.23
  Bottom w0.2: J9.B7 5.66,9.1 5.6,9.05 ; 11.55,17.23 11.4,17.09 arc(11.29,16.92) 11.25,16.71 11.25,16.42 arc(11.24,16.37) 11.21,16.32 v1(11.17,16.28)
  vias: v1(5.6,9.07)
USB_B_P: length 18.6
  Top w0.2: v1(11.73,16.28) 11.69,16.24 arc(11.66,16.2) 11.65,16.14 11.65,15.84 arc(11.56,15.4) 11.31,15.03 11.17,14.88 arc(10.63,14.53) 10,14.4 9.56,14.4 arc(9.15,14.48) 8.81,14.71 8.66,14.86 arc(8.5,14.96) 8.32,15 5.45,15 arc(5.41,14.99) 5.4,14.95 arc(5.39,14.91) 5.35,14.9 5,14.9 arc(4.96,14.91) 4.95,14.95 arc(4.94,14.99) 4.9,15 4.62,15 arc(4.31,14.94) 4.04,14.76 arc(3.86,14.49) 3.8,14.18 3.8,11.14 arc(3.92,10.53) 4.27,10.02 4.44,9.84 arc(4.76,9.63) 5.14,9.55 5.51,9.55 arc(5.54,9.55) 5.56,9.56 5.6,9.6 5.6,9.65
  Bottom w0.1: 11.75,16.87 11.9,17.01 arc(11.94,17.07) 11.95,17.14 11.95,18.17 arc(11.92,18.34) 11.82,18.47 U3.K7
  Bottom w0.2: 11.75,16.87 11.75,16.86 arc(11.67,16.76) 11.65,16.63 11.65,16.42 arc(11.66,16.37) 11.69,16.32 v1(11.73,16.28) ; v1(5.6,9.64) 5.64,9.6 J9.B6
USB_RP_N: length 40.7
  In2.Cu w0.13: v1(37.56,16.06) 37.5,16.12 arc(37.43,16.17) 37.35,16.19 37.3,16.19 arc(37.17,16.16) 37.07,16.09 37.01,16.03 arc(36.89,15.86) 36.85,15.65 36.85,13.97 arc(36.58,12.62) 35.82,11.47 35.47,11.13 arc(34.71,10.62) 33.82,10.44 33.23,10.44 arc(32.88,10.51) 32.58,10.71 32.37,10.92 arc(32.3,10.96) 32.22,10.98 v1(32.13,10.98)
  Bottom w0.1: 13.26,17.22 13.01,17.47 arc(12.97,17.54) 12.95,17.62 12.95,18.17 arc(12.92,18.34) 12.82,18.47 U3.K5 ; v1(37.56,16.06) U4.D20
  Bottom w0.2: v1(32.13,10.98) 32.2,10.98 arc(32.22,10.98) 32.24,10.98 arc(32.26,10.98) 32.28,10.97 32.32,10.96 arc(32.34,10.95) 32.36,10.93 arc(32.37,10.92) 32.39,10.9 32.54,10.76 arc(32.57,10.72) 32.6,10.69 arc(32.62,10.66) 32.65,10.63 32.67,10.59 arc(32.72,10.52) 32.75,10.44 arc(32.78,10.36) 32.8,10.28 32.81,10.23 arc(32.82,10.19) 32.82,10.15 arc(32.82,10.11) 32.82,10.06 32.82,9.85 arc(32.76,9.71) 32.62,9.65 32.51,9.65 arc(32.37,9.59) 32.31,9.45 arc(32.37,9.31) 32.51,9.25 32.62,9.25 arc(32.76,9.19) 32.82,9.05 32.82,9.04 arc(32.7,8.45) 32.37,7.95 arc(31.87,7.62) 31.28,7.5 22.04,7.5 arc(20.69,7.77) 19.55,8.53 16.25,11.84 arc(15.43,13.05) 15.15,14.48 15.15,16.03 arc(15.08,16.4) 14.87,16.72 arc(14.55,16.93) 14.18,17 13.78,17 arc(13.51,17.05) 13.27,17.21 13.26,17.22
USB_RP_P: length 40.6
  In2.Cu w0.13: v1(37.56,16.71) 37.5,16.65 arc(37.43,16.6) 37.35,16.59 37.22,16.59 arc(37.01,16.55) 36.84,16.43 36.72,16.31 arc(36.52,16.01) 36.45,15.65 36.45,13.97 arc(36.21,12.77) 35.54,11.76 35.19,11.41 arc(34.56,10.99) 33.82,10.84 33.31,10.84 arc(33.04,10.9) 32.8,11.05 32.65,11.2 arc(32.61,11.27) 32.59,11.35 v1(32.59,11.44)
  Bottom w0.1: U3.L5 12.72,18.08 arc(12.73,18.07) 12.74,18.05 12.74,17.5 arc(12.74,17.5) 12.73,17.5 12.73,17.22 arc(12.74,17.18) 12.76,17.16 12.91,17.01 ; v1(37.56,16.71) U4.E20
  Bottom w0.2: 12.91,17.01 12.95,16.97 arc(13.36,16.7) 13.84,16.6 14.18,16.6 arc(14.4,16.56) 14.58,16.43 arc(14.71,16.25) 14.75,16.03 14.75,14.5 arc(15.07,12.9) 15.97,11.54 19.24,8.28 arc(20.54,7.41) 22.08,7.1 31.28,7.1 arc(32.02,7.25) 32.65,7.67 arc(33.07,8.3) 33.22,9.04 33.22,10.14 arc(33.22,10.19) 33.22,10.24 arc(33.22,10.29) 33.21,10.35 33.2,10.4 arc(33.17,10.5) 33.14,10.6 arc(33.09,10.69) 33.04,10.78 33.01,10.83 arc(32.98,10.87) 32.94,10.91 arc(32.91,10.95) 32.87,10.99 32.67,11.19 arc(32.65,11.2) 32.64,11.22 arc(32.63,11.23) 32.62,11.25 32.6,11.29 arc(32.59,11.31) 32.59,11.33 arc(32.59,11.35) 32.59,11.37 v1(32.59,11.44)
